# Altium PCB Tigershark 3D R2.4 - TR.PcbDoc (part 3 of 4)
Units mil, origin at the board's own origin, x right, y up, seen from the top; angles counter-clockwise.
Board outline 4100 x 4050 mil, 4 copper layers (Top Layer, Groun Plane, Power Plane, Bottom Layer), stack 61.73 mil thick; 425 components, 241 nets, 1238 pads, 1219 vias.
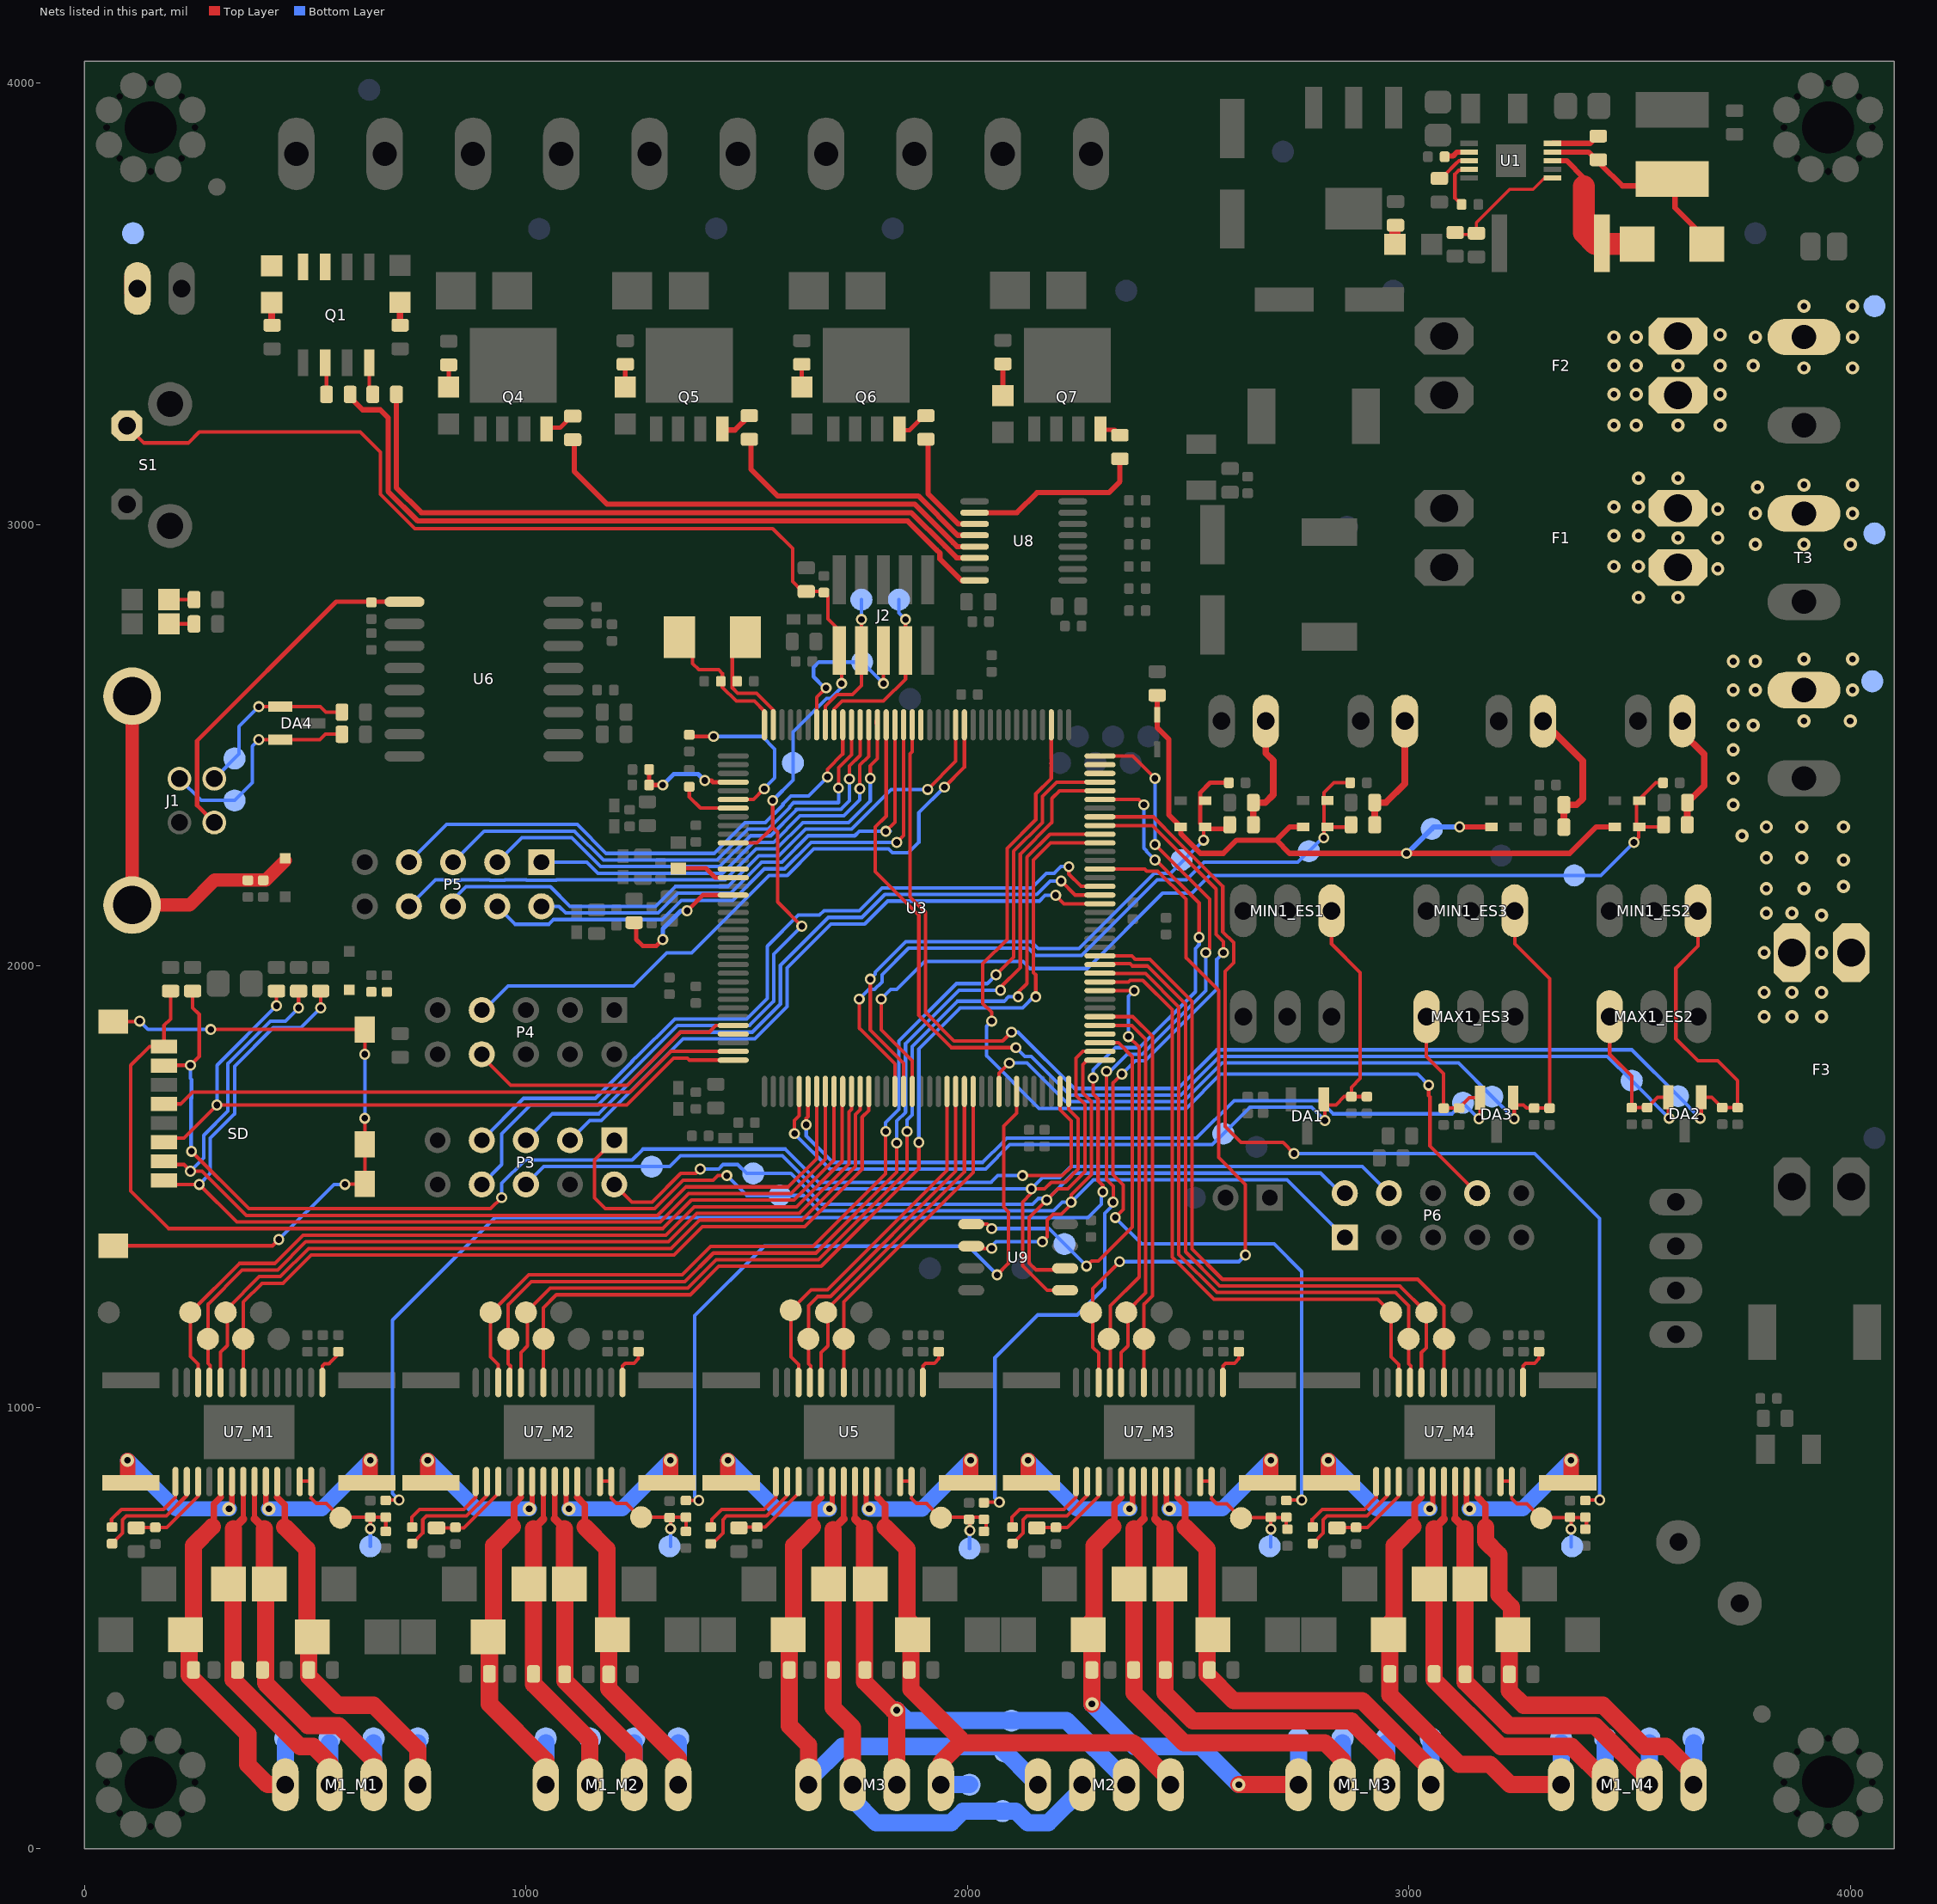
[diagram p5: the nets of this part, all layers, seen from the top]

## Via types
v1: diameter 30, hole 15, Top Layer to Bottom Layer, tented both sides, 769 vias
v2: diameter 25, hole 15, Top Layer to Bottom Layer, tented both sides, 443 vias
v3: diameter 45, hole 15, Top Layer to Bottom Layer, tented both sides, 4 vias
v4: diameter 50, hole 15, Top Layer to Bottom Layer, tented both sides, 3 vias

## Nets (pads, with @x,y where several pads share a name; then routed paths per layer and width w, separated by ;. In a path a pad name is that pad's centre, name@x,y a point inside that pad or via, vN(x,y) a via of type N, cw(c..) or ccw(c..) an arc to the next point about the centre after c; other vN are vias at no path point) (continued)
MAX_ES2: C2_ES2.2 DA2.2 MAX1_ES2.1 R3_ES2.1 TP10_ES2.1 U3.22 | length 2945.7
  Top Layer w8: U3.22@1816.1,2546.46 1816.1,2339.34 1791.5,2314.73 1791.5,2213.97 1890,2115.47 1890,1888.64 1963.64,1815 v2(2110,1815) ; MAX1_ES2.1@3455,1885 3455,1800 3505,1750 R3_ES2.1@3505,1678.9 3505.1,1679 C2_ES2.2@3540,1679 3563.4,1702.4 DA2.2@3587.6,1702.4 3587.6,1657.4 v2(3590,1655)
  Bottom Layer w8: v2(2110,1815) 2130,1795 2145,1795 2232.55,1707.45 2483.67,1707.45 2571.21,1795 3450,1795 TP10_ES2.1@3505,1740 v2(3590,1655)
MAX_ES3: C2_ES3.2 DA3.2 MAX1_ES3.1 R3_ES3.1 TP10_ES3.1 U3.78 | length 2111.5
  Top Layer w8: v2(1635,1640) 1635,1655 1638.94,1658.94 U3.78@1638.94,1715.75 ; MAX1_ES3.1@3040,1885 3040,1795 3078.9,1756.1 R3_ES3.1@3078.9,1677.8 3079,1677.9 C2_ES3.2@3113.9,1677.9 3137.3,1701.3 DA3.2@3161.5,1701.3 3161.5,1656.5 v2(3158.9,1653.9)
  Bottom Layer w8: v2(1635,1640) 1635,1614.71 1694.71,1555 2035,1555 2081.5,1601.5 2081.5,1602.16 2089.34,1610 2519.09,1610 2604.09,1695 2798.23,1695 2828.23,1665 3097.8,1665 TP10_ES3.1@3122.8,1690 v2(3158.9,1653.9)
MCCDZ: R34.2 SD.3 U3.72 | length 1694.5
  Top Layer w8: SD.3@170,1600.63 179.37,1610 225,1610 v2(300,1685) 1228.23,1685 1334.23,1791 1365.77,1791 1370.16,1786.61 U3.72@1469.65,1786.61 ; v2(435,1910) R34.2@435,1943.23
  Bottom Layer w8: v2(300,1685) 300,1775 v2(435,1910)
MCCK: SD.5 U3.71 | length 1349
  Top Layer w8: SD.5@170,1687.24 217.24,1687.24 244.47,1714.47 1235.43,1714.47 1235.95,1715 1237.02,1715 1328.32,1806.3 U3.71@1469.65,1806.3
MCDZ0: R35.2 SD.7 U3.107 | length 2801.4
  Top Layer w8: SD.7@170,1773.86 171.14,1775 v2(240,1775) 260,1795 260,1890 245,1905 R35.2@245,1943.23 ; v2(242.43,1580) 372.43,1450 920,1450 v2(945,1475) ; v2(2125,1525) 2215,1525 2235,1545 2235,1648.79 2209.8,1673.98 U3.107@2209.8,1715.75
  Bottom Layer w8: v2@240,1582.43 v2(242.43,1580) 241.5,1580.93 241.5,1699.73 242.43,1700.66 242.43,1742.57 240,1745 v2(240,1775) ; v2(945,1475) 945,1507.31 998.21,1560.53 1240.53,1560.53 1265,1585 1587.43,1585 1662.43,1510 2053.64,1510 2068.64,1525 v2(2125,1525)
MCDZ1: R40.2 SD.8 U3.81 | length 2347.6
  Top Layer w8: SD.8@170,1817.17 147.17,1817.17 105,1775 105,1490 190,1405 1310.44,1405 1374.91,1469.47 1606.9,1469.47 1697.99,1560.57 U3.81@1697.99,1715.75 ; SD.8@180,1817.17 180,1865 195,1880 R40.2@195,1943.23
MCDZ2: R29.1 SD.1 U3.80 | length 2348.5
  Top Layer w8: SD.1@170,1514 179,1505 v2(260,1505) 345,1420 1304.23,1420 1368.7,1484.47 1600.69,1484.47 1678.31,1562.09 U3.80@1678.31,1715.75 ; v2(535,1905) R29.1@535,1943.23
  Bottom Layer w8: v2(260,1505) 285,1530 285,1610 340,1665 340,1772.57 427.43,1860 490,1860 v2(535,1905)
MCDZ3: R28.1 SD.2 U3.79 | length 2274
  Top Layer w8: SD.2@170,1557.31 177.31,1550 225,1550 v2(240,1535) 266.21,1535 366.21,1435 1298.02,1435 1362.49,1499.47 1594.47,1499.47 1658.5,1563.5 U3.79@1658.5,1715.63 ; v2(485,1905) R28.1@485,1943.23
  Bottom Layer w8: v2(240,1535) 270,1565 270,1616.21 325,1671.21 325,1778.79 421.21,1875 455,1875 v2(485,1905)
MIN_ES1: C1_ES1.2 DA1.1 MIN1_ES1.1 R2_ES1.1 TP9_ES1.1 U3.77 | length 2012.9
  Top Layer w8: v2(1608.5,1620) 1608.5,1649.79 1619.25,1660.54 U3.77@1619.25,1715.75 ; DA1.1@2807.4,1697.4 2810,1694.8 v2(2810,1650) ; DA1.1@2810,1685 2835,1685 2854,1704 C1_ES1.2@2870,1704 ; MIN1_ES1.1@2825,2125 2825,2050 2890,1985 2890,1745 2870,1725 C1_ES1.2@2870,1704 ; R2_ES1.1@2905,1703.9 2870.1,1703.9 C1_ES1.2@2870,1704
  Bottom Layer w8: v2(1608.5,1620) 1688.5,1540 2041.21,1540 2096.21,1595 2555,1595 TP9_ES1.1@2580,1620 2640,1680 2780,1680 v2(2810,1650)
MIN_ES2: C1_ES2.2 DA2.1 MIN1_ES2.1 R2_ES2.1 TP9_ES2.1 U3.19 | length 3303.2
  Top Layer w8: U3.19@1875.16,2546.46 1875,2546.3 1875,2485 1870.47,2480.47 1870.47,2156.21 1905,2121.69 1905,1894.85 1969.85,1830 2080,1830 v2(2100,1850) ; MIN1_ES2.1@3655,2125 3655,2045 3605,1995 3605,1835 3655,1785 3700,1785 3745,1740 R2_ES2.1@3745,1678.9 3710.1,1678.9 C1_ES2.2@3710,1679 3686.6,1702.4 DA2.1@3662.4,1702.4 3662.4,1657.4 v2(3660,1655)
  Bottom Layer w8: v2(2100,1850) 2115,1850 2242.55,1722.45 2477.45,1722.45 2565,1810 3505,1810 TP9_ES2.1@3610,1705 v2(3660,1655)
MIN_ES3: C1_ES3.2 DA3.1 MIN1_ES3.1 R2_ES3.1 TP9_ES3.1 U3.100 | length 1949
  Top Layer w8: U3.100@2072.01,1715.75 2072.01,1757.01 v2(2095,1780) ; v2(3238.9,1653.9) DA3.1@3238.9,1698.7 ; DA3.1@3240,1685 3260,1685 3267.1,1677.9 C1_ES3.2@3283.9,1677.9 R2_ES3.1@3318.9,1677.9 ; MIN1_ES3.1@3240,2125 3240,2050 3318.9,1971.1 R2_ES3.1@3318.9,1677.9 ; R2_ES3.1@3318.9,1677.8 R2_ES3.1@3318.9,1677.9
  Bottom Layer w8: v2(2095,1780) 2135,1780 2222.55,1692.45 2489.88,1692.45 2577.43,1780 3112.8,1780 TP9_ES3.1@3188.9,1703.9 v2(3238.9,1653.9)
MISO: P3.6 P6.4 TP7.1 U3.108 U9.5 | length 2655.6
  Top Layer w8: U9.5@2206.3,1265 2180.55,1265 2125,1320.55 2125,1465 2145,1485 v2(2145,1495) 2175,1495 2190,1510 2221.21,1510 2251.14,1539.92 2251.14,1653.86 2229.49,1675.51 U3.108@2229.49,1715.75
  Bottom Layer w8: P3.6@1000,1505 1040.53,1545.53 1325.53,1545.53 1350,1570 1581.21,1570 1656.21,1495 v2(2145,1495) 2170,1520 2208.79,1520 2234.31,1545.53 2894.47,1545.53 P6.4@2955,1485
MOD0E1: TP37_M1.1 U3.84 U7_M1.24 | length 1903.6
  Top Layer w8: U7_M1.24@308.51,1057.2 308.51,1124.86 323.72,1140.07 ; 323.69,1140.09 323.69,1223.69 396,1296 443.57,1296 507.57,1360 1329.08,1360 1393.55,1424.47 1625.54,1424.47 1746.5,1545.43 1746.5,1663.37 1757.05,1673.92 U3.84@1757.05,1715.75
MOD0E2: TP37_M2.1 U3.135 U7_M2.24 | length 2250.2
  Top Layer w8: U7_M2.24@988.51,1056.2 988.51,1123.86 1003.72,1139.07 TP37_M2.1@1003.72,1218.72 ; TP37_M2.1@1000,1215 TP37_M2.1@1003.72,1218.72 ; v2(1863.5,1625) 1863.5,1535.15 1662.82,1334.47 1430.83,1334.47 1366.36,1270 1055,1270 TP37_M2.1@1003.72,1218.72 ; v2(2115,1930) 2115,1940 2135,1960 2135,2246.36 2187.06,2298.43 U3.135@2300.35,2298.43
  Bottom Layer w8: v2(1863.5,1625) 1863.5,1651.07 1875,1662.57 1875,1817.57 1977.43,1920 2083.23,1920 2093.23,1930 v2(2115,1930)
MOD0E3: TP37_M3.1 U3.113 U7_M3.24 | length 919.1
  Top Layer w8: U3.113@2300.35,1865.35 2372.88,1865.35 2404,1834.23 2404,1259 TP37_M3.1@2360,1215 ; U7_M3.24@2348.51,1056.2 2348.51,1123.86 2363.72,1139.07 ; 2363.69,1139.09 TP37_M3.1@2363.69,1215
MOD0E4: TP37_M4.1 U3.120 U7_M4.24 | length 1559.4
  Top Layer w8: U3.120@2300.35,2003.15 2302.2,2005 2368.79,2005 2373.79,2000 2407.43,2000 2494,1913.43 2494,1352.36 2571.36,1275 2979.69,1275 TP37_M4.1@3039.69,1215 3039.69,1135.04 3028.51,1123.86 U7_M4.24@3028.51,1056.2
MOD0E_Z: TP19.1 U3.96 U5.24 | length 793.9
  Top Layer w8: U5.24@1668.77,1056.2 1668.77,1123.86 1683.98,1139.07 ; 1683.95,1139.09 1683.95,1223.95 1993.27,1533.27 U3.96@1993.27,1715.75
MOD1E1: TP36_M1.1 U3.83 U7_M1.25 | length 1930.5
  Top Layer w8: U7_M1.25@282.92,1056.2 285,1058.28 285,1094.69 279.69,1100 TP36_M1.1@279.69,1155 279.69,1233.48 357.21,1311 437.36,1311 501.36,1375 1322.87,1375 1387.34,1439.47 1619.33,1439.47 1731.5,1551.65 1731.5,1669.59 1737.36,1675.45 U3.83@1737.36,1715.75
MOD1E2: TP36_M2.1 U3.140 U7_M2.25 | length 2344.2
  Top Layer w8: TP36_M2.1@959.69,1154 959.69,1099 965,1093.69 U7_M2.25@965,1057.28 ; TP36_M2.1@960,1155 960,1232.51 1012.49,1285 1360.15,1285 1424.62,1349.47 1656.6,1349.47 1840,1532.87 v2(1840,1598.64) ; v2(2075,1945) 2075,1951.21 2120,1996.21 2120,2253.79 2191.5,2325.29 2191.5,2379.73 2208.62,2396.85 U3.140@2300.35,2396.85
  Bottom Layer w8: v2(1840,1598.64) 1840,1648.79 1860,1668.79 1860,1823.79 1981.21,1945 v2(2075,1945)
MOD1E3: TP36_M3.1 U3.117 U7_M3.25 | length 1007.3
  Top Layer w8: U3.117@2300.35,1944.09 v2(2378.11,1944.09) ; U7_M3.25@2325,1057.28 2324,1058.28 2324,1229.91 2389,1294.91 2389,1816 v2(2365,1840)
  Bottom Layer w8: v2(2365,1840) 2365,1930.98 v2(2378.11,1944.09)
MOD1E4: TP36_M4.1 U3.119 U7_M4.25 | length 1514.2
  Top Layer w8: U3.119@2300.35,1983.46 2301.22,1982.59 2403.62,1982.59 2479,1907.21 2479,1346.15 2565.15,1260 2970,1260 2999.69,1230.31 TP36_M4.1@2999.69,1155 ; TP36_M4.1@2999.69,1154 2999.69,1099 3005,1093.69 U7_M4.25@3005,1057.28
MOD1E_Z: TP18.1 U3.95 U5.25 | length 814.5
  Top Layer w8: TP18.1@1639.95,1154 1639.95,1099 1645.26,1093.69 U5.25@1645.26,1057.28 ; TP18.1@1640,1155 1640,1230 1661,1251 1689.49,1251 1973.58,1535.09 U3.95@1973.58,1715.75
MOD2E1: TP35_M1.1 U3.82 U7_M1.26 | length 1941.9
  Top Layer w8: U7_M1.26@257.33,1057.2 257.33,1097.67 240,1115 240,1215 351,1326 431.15,1326 495.15,1390 1316.65,1390 1381.13,1454.47 1613.11,1454.47 1716.5,1557.86 1716.5,1714.57 U3.82@1717.68,1715.75
MOD2E2: TP35_M2.1 U3.141 U7_M2.26 | length 2377.9
  Top Layer w8: U7_M2.26@937.33,1056.2 937.33,1096.67 920,1114 TP35_M2.1@920,1215 921.28,1215 1006.28,1300 1353.93,1300 1418.41,1364.47 1650.39,1364.47 1815,1529.08 v2(1815,1625) ; v2(2065,1980) 2105,2020 2105,2260 2170,2325 2170,2384.07 2202.46,2416.54 U3.141@2300.35,2416.54
  Bottom Layer w8: v2(1815,1625) 1815,1645 1845,1675 1845,1830 1975,1960 2045,1960 v2(2065,1980)
MOD2E3: TP35_M3.1 U3.131 U7_M3.26 | length 1680.9
  Top Layer w8: U7_M3.26@2297.33,1056.2 2297.33,1122.67 2284,1136 2284,1269 v2(2345,1330) ; U3.131@2300.35,2219.68 2401.53,2219.68 2406.21,2215 2431.21,2215 2495,2151.21 2495,2018.49 2569,1944.49 2569,1566 2630,1505 v2(2630,1345)
  Bottom Layer w8: v2(2345,1330) 2615,1330 v2(2630,1345)
MOD2E4: TP35_M4.1 U3.118 U7_M4.26 | length 1472.3
  Top Layer w8: U3.118@2300.35,1963.78 2364.56,1963.78 2368.38,1967.59 2397.41,1967.59 2464,1901 2464,1339.93 2558.93,1245 2929.69,1245 TP35_M4.1@2959.69,1215 ; TP35_M4.1@2960,1220 2960,1114 2977.33,1096.67 U7_M4.26@2977.33,1056.2
MOD2E_Z: TP17.1 U3.94 U5.26 | length 835
  Top Layer w8: U5.26@1617.59,1056.2 1617.59,1096.67 1600.26,1114 1600.26,1220.26 1646,1266 1683.28,1266 1953.9,1536.62 U3.94@1953.9,1715.75
MODE0_EXP1: P5.7 U3.27 | length 1216.3
  Top Layer w8: v2(1683.15,2428.15) 1683.15,2445.58 1717.68,2480.1 U3.27@1717.68,2546.46
  Bottom Layer w8: P5.7@735,2235 820.53,2320.53 1116.24,2320.53 1181.77,2255 1426.51,2255 1496.51,2325 1542.39,2325 1582.47,2365.09 1582.47,2367.18 1600.29,2385 1640,2385 v2(1683.15,2428.15)
MODE0_EXP2: P5.5 U3.26 | length 1172.8
  Top Layer w8: v2(1708.15,2403.15) 1708.15,2449.36 1737.36,2478.58 U3.26@1737.36,2546.46
  Bottom Layer w8: P5.5@835,2235 905.53,2305.53 1110.03,2305.53 1175.55,2240 1432.72,2240 1502.72,2310 1548.6,2310 1597.47,2358.87 1597.47,2360.96 1606.51,2370 1707.57,2370 1708.15,2370.58 v2(1708.15,2403.15)
MODE1_EXP1: P5.3 U3.25 | length 1093.4
  Top Layer w8: v2(1733,2423.55) 1733,2453 1757.05,2477.05 U3.25@1757.05,2546.46
  Bottom Layer w8: P5.3@935,2235 990.53,2290.53 1103.81,2290.53 1169.34,2225 1438.93,2225 1508.93,2295 1554.81,2295 1612.47,2352.66 1612.47,2354.75 1612.72,2355 1713.79,2355 1733,2374.21 v2(1733,2423.55)
MODE1_EXP2: P5.1 U3.24 | length 979.2
  Top Layer w8: v2(1756.5,2401.5) 1756.5,2454.77 1776.73,2475 U3.24@1776.73,2546.46
  Bottom Layer w8: P5.1@1035,2235 1138.13,2235 1163.13,2210 1445.15,2210 1515.15,2280 1561.03,2280 1621.03,2340 1720,2340 1756.5,2376.5 v2(1756.5,2401.5)
MODE2_EXP1: P5.8 U3.23 | length 1334.4
  Top Layer w8: v2(1780,2425) 1780,2453.58 1796.42,2470 U3.23@1796.42,2546.46 1793.64,2549.24 U3.23@1793.64,2555
  Bottom Layer w8: P5.8@735,2135 795,2195 817.69,2195 818.21,2194.47 851.79,2194.47 852.31,2195 917.69,2195 918.21,2194.47 951.79,2194.47 952.31,2195 1000.39,2195 1000.92,2194.47 1069.08,2194.47 1069.61,2195 1451.36,2195 1521.36,2265 1567.24,2265 1627.24,2325 1731.21,2325 1780,2373.79 v2(1780,2425)
MODE2_EXP2: P5.6 U3.14 | length 1403.2
  Top Layer w8: v2(1910,2400) 1973.58,2463.58 U3.14@1973.58,2546.46
  Bottom Layer w8: P5.6@835,2135 835,2150 864.47,2179.47 1055.53,2179.47 1100,2135 1293.23,2135 1338.23,2180 1457.57,2180 1527.57,2250 1573.45,2250 1633.45,2310 1737.43,2310 1827.43,2400 v2(1910,2400)
MOSI: P3.1 P6.1 TP8.1 U3.109 U9.2 | length 2677.2
  Top Layer w8: P3.1@1200,1605 1155.53,1560.53 1155.53,1474.47 1180,1450 1291.8,1450 1356.27,1514.47 1424.47,1514.47 1435,1525 v2(1455,1525) ; U9.2@2008.7,1365 2013.7,1360 v2(2055,1360) ; v2(2170,1375) 2180.77,1385.77 2180.77,1424.45 2194.13,1437.81 2212.81,1437.81 2235,1460 v2(2235,1465) 2235,1481.36 2281.14,1527.5 2281.14,1692.65 2261.5,1712.29 2261.5,1776.5 2270,1785 U3.109@2290,1785
  Bottom Layer w8: v2(1455,1525) 1500,1480 1628.79,1480 1663.79,1445 2195,1445 2215,1465 v2(2235,1465) 2285.53,1515.53 2724.47,1515.53 P6.1@2855,1385 ; v2(2055,1360) 2055,1365 2065,1375 v2(2170,1375)
NetC3_M1_1: C3_M1.1 D20_M1.A M1_M1.4 TP24_M1.1 U7_M1.5 | length 892.8
  Top Layer w12: 308.51,796.02 U7_M1.5@308.51,832.8
  Top Layer w15: 289.49,729.48 293.25,733.24 293.25,780.76 308.51,796.02
  Top Layer w39: D20_M1.A@230,470 D20_M1.A@231.49,470 ; D20_M1.A@246.49,485 236.77,475.28 236.77,393.14 370,259.91 370,190 415,145 M1_M1.4@455,145 ; D20_M1.A@246.49,520 246.49,686.48 289.49,729.48
  Bottom Layer w39: M1_M1.4@455,145 TP24_M1.1@455,240
NetC3_M2_1: C3_M2.1 D20_M2.A M1_M2.4 TP24_M2.1 U7_M2.5 | length 822.7
  Top Layer w12: 988.51,796.02 U7_M2.5@988.51,832.8
  Top Layer w15: 969.49,729.48 973.25,733.24 973.25,780.76 988.51,796.02
  Top Layer w39: D20_M2.A@914,480 917.26,476.74 C3_M2.1@917.26,396 917.26,327.74 1045,200 M1_M2.4@1045,145 ; 926.49,520 926.49,686.48 969.49,729.48
  Bottom Layer w39: M1_M2.4@1045,145 TP24_M2.1@1045,240
NetC3_M3_1: C3_M3.1 D20_M3.A M1_M3.4 TP24_M3.1 U7_M3.5 | length 1174.9
  Top Layer w12: 2348.51,796.02 U7_M3.5@2348.51,832.8
  Top Layer w15: 2329.49,729.48 2333.25,733.24 2333.25,780.76 2348.51,796.02
  Top Layer w39: v1(2282.16,327.84) 2282.16,506.33 2277.49,511 2286.49,520 2286.49,686.48 2329.49,729.48 ; v1(2615,145) M1_M3.4@2750,145
  Bottom Layer w39: v1(2282.16,327.84) 2378.5,231.5 2528.5,231.5 v1(2615,145) ; M1_M3.4@2750,145 TP24_M3.1@2750,240
NetC3_M4_1: C3_M4.1 D20_M4.A M1_M4.4 TP24_M4.1 U7_M4.5 | length 1081.3
  Top Layer w12: 3028.51,796.02 U7_M4.5@3028.51,832.8
  Top Layer w15: 3009.49,729.48 3013.25,733.24 3013.25,780.76 3028.51,796.02
  Top Layer w39: 3009.49,729.48 2966.49,686.48 2966.49,520 2957.26,510.77 C3_M4.1@2957.26,396 2957.26,347.74 3113.5,191.5 3183.45,191.5 3229.95,145 M1_M4.4@3345,145
  Bottom Layer w39: M1_M4.4@3345,145 TP24_M4.1@3345,240
NetC5_M1_1: C5_M1.1 D21_M1.A M1_M1.3 TP25_M1.1 U7_M1.7 | length 900.1
  Top Layer w12: 359.69,747.2 U7_M1.7@359.69,832.8
  Top Layer w18: 337.49,725 359.69,747.2
  Top Layer w39: 337.49,725 336.77,405 336.77,383.02 488.29,231.5 518.5,231.5 555,195 M1_M1.3@555,145
  Bottom Layer w39: M1_M1.3@555,145 TP25_M1.1@555,240
NetC5_M2_1: C5_M2.1 D21_M2.A M1_M2.3 TP25_M2.1 U7_M2.7 | length 844.8
  Top Layer w12: 1039.69,747.2 U7_M2.7@1039.69,832.8
  Top Layer w18: 1017.49,725 1039.69,747.2
  Top Layer w39: 1017.49,725 1017.49,372.51 1145,245 M1_M2.3@1145,145
  Bottom Layer w39: M1_M2.3@1145,145 TP25_M2.1@1145,240
NetC5_M3_1: C5_M3.1 D21_M3.A M1_M3.3 TP25_M3.1 U7_M3.7 | length 1184.3
  Top Layer w12: 2399.69,747.2 U7_M3.7@2399.69,832.8
  Top Layer w18: 2377.49,725 2399.69,747.2
  Top Layer w39: 2377.49,725 2377.49,611 D21_M3.A@2366.49,600 2377.26,589.23 2377.26,352.74 2490,240 2810,240 2850,200 M1_M3.3@2850,145
  Bottom Layer w39: M1_M3.3@2850,145 TP25_M3.1@2850,240
NetC5_M4_1: C5_M4.1 D21_M4.A M1_M4.3 TP25_M4.1 U7_M4.7 | length 1046.4
  Top Layer w12: 3079.69,747.2 U7_M4.7@3079.69,831.8 U7_M4.7@3079.69,832.8
  Top Layer w18: 3057.49,725 3079.69,747.2
  Top Layer w39: 3057.49,725 3057.26,724.77 C5_M4.1@3057.26,396 3057.26,382.74 3208.5,231.5 3368.4,231.5 3445,154.9 M1_M4.3@3445,145
  Bottom Layer w39: M1_M4.3@3445,145 TP25_M4.1@3445,240
NetC6_M1_1: C6_M1.1 D22_M1.A M1_M1.1 TP26_M1.1 U7_M1.10 | length 955.8
  Top Layer w12: 436.47,796.02 U7_M1.10@436.47,832.8
  Top Layer w15: 436.47,796.02 453.49,779 453.49,729
  Top Layer w39: 453.49,729 503.49,679 D22_M1.A@503.49,501.51 ; D22_M1.A@508.23,496.77 C6_M1.1@508.23,405 508.23,390.23 573.46,325 655,325 755,225 M1_M1.1@755,145
  Bottom Layer w39: M1_M1.1@755,145 TP26_M1.1@755,240
NetC6_M2_1: C6_M2.1 D22_M2.A M1_M2.1 TP26_M2.1 U7_M2.10 | length 877.5
  Top Layer w12: 1116.47,796.02 U7_M2.10@1116.47,832.8
  Top Layer w15: 1116.47,796.02 1133.49,779 1133.49,729
  Top Layer w39: 1133.49,729 1183.49,679 1183.49,520 1187.72,515.77 C6_M2.1@1187.72,395 1187.72,362.28 1345,205 M1_M2.1@1345,145
  Bottom Layer w39: M1_M2.1@1345,145 TP26_M2.1@1345,240
NetC6_M3_1: C6_M3.1 D22_M3.A M1_M3.1 TP26_M3.1 U7_M3.10 | length 1191.1
  Top Layer w12: 2476.47,796.02 U7_M3.10@2476.47,832.8
  Top Layer w15: 2476.47,796.02 2493.49,779 2493.49,729
  Top Layer w39: 2493.49,729 2543.49,679 2543.49,394.97 2603.46,335 2895,335 3050,180 M1_M3.1@3050,145
  Bottom Layer w39: M1_M3.1@3050,145 TP26_M3.1@3050,240
NetC6_M4_1: C6_M4.1 D22_M4.A M1_M4.1 TP26_M4.1 U7_M4.10 | length 1097.3
  Top Layer w12: 3156.47,796.02 U7_M4.10@3156.47,832.8
  Top Layer w15: 3156.47,796.02 3173.49,779 3173.49,729
  Top Layer w39: 3173.72,728.77 3173.72,696.77 3204.24,666.24 3204.24,650.72 3204.49,650.48 3204.49,575.26 3232.49,547.26 D22_M4.A@3232.49,511 ; D22_M4.A@3223.49,485 3227.72,480.77 C6_M4.1@3227.72,395 3227.72,357.28 3260,325 3440,325 3533.5,231.5 3583.5,231.5 3645,170 M1_M4.1@3645,145
  Bottom Layer w39: M1_M4.1@3645,145 TP26_M4.1@3645,240
NetC8_M1_2: C8_M1.2 D23_M1.A M1_M1.2 TP27_M1.1 U7_M1.8 | length 942.6
  Top Layer w12: 385.29,747.2 U7_M1.8@385.29,832.8
  Top Layer w18: 385.29,747.2 407.49,725
  Top Layer w39: 407.49,725 407.49,611 D23_M1.A@418.49,600 410,591.51 410,374.85 505.85,279 576,279 655,200 M1_M1.2@655,145
  Bottom Layer w39: M1_M1.2@655,145 TP27_M1.1@655,240
NetC8_M2_2: C8_M2.2 D23_M2.A M1_M2.2 TP27_M2.1 U7_M2.8 | length 866.2
  Top Layer w12: 1065.29,747.2 U7_M2.8@1065.29,832.8
  Top Layer w18: 1065.29,747.2 1087.49,725
  Top Layer w39: 1087.49,725 1087.49,611 D23_M2.A@1098.49,600 1087.72,589.23 C8_M2.2@1087.72,395 1087.72,380.23 1245,222.95 M1_M2.2@1245,145
  Bottom Layer w39: M1_M2.2@1245,145 TP27_M2.1@1245,240
NetC8_M3_2: C8_M3.2 D23_M3.A M1_M3.2 TP27_M3.1 U7_M3.8 | length 1210.4
  Top Layer w12: 2425.29,747.2 U7_M3.8@2425.29,832.8
  Top Layer w18: 2425.29,747.2 2447.49,725
  Top Layer w39: 2447.49,725 2447.49,395.23 2447.72,395 2447.72,352.28 2511,289 2870,289 2950,209 M1_M3.2@2950,145
  Bottom Layer w39: M1_M3.2@2950,145 TP27_M3.1@2950,240
NetC8_M4_2: C8_M4.2 D23_M4.A M1_M4.2 TP27_M4.1 U7_M4.8 | length 1078.8
  Top Layer w12: 3105.29,747.2 U7_M4.8@3105.29,831.8 U7_M4.8@3105.29,832.8
  Top Layer w18: 3105.29,747.2 3127.49,725
  Top Layer w39: 3127.72,724.77 C8_M4.2@3127.72,395 3127.72,377.34 3226.05,279 3420.95,279 3545,154.95 M1_M4.2@3545,145
  Bottom Layer w39: M1_M4.2@3545,145 TP27_M4.1@3545,240
NetC19_1: C19.1 D9.A R41.2 SD.9 SD.10 SD.11 SD.12 SD.13 | length 1554.9
  Top Layer w8: SD.9@65,1366 426,1366 v2(440,1380) ; SD.10@65,1874 v2@124,1874 ; v2(286,1856) SD.13@635,1856 v2(635,1800) ; v2(590,1505) 591,1506 SD.11@635,1506 SD.12@635,1596 v2(635,1655)
  Bottom Layer w8: v2(125,1875) 144,1856 v2(286,1856) ; v2(440,1380) 565,1505 v2(590,1505) ; v2(635,1655) v2(635,1800)
NetC22_1: C22.1 U1.4 | length 112
  Top Layer w8: C22.1@3119.3,3725 3104.52,3739.78 3104.52,3794.29 3113.29,3803.05 3135.14,3803.05 U1.4@3136.83,3804.74
NetC24_2: C24.2 D8.A J1.5 J1.6 R24.2 | length 862.1
  Top Layer w30: J1.5@108,2611.16 J1.6@108,2137.94 237.94,2137.94 295,2195 411,2195 D8.A@455,2239
NetC35_1: C35.1 R36.1 U5.3 | length 195.3
  Top Layer w8: C35.1@1482.49,726.77 1484.43,728.71 1541.56,728.71 1617.36,804.51 U5.3@1617.36,832.76